# Altium PCB LimeSDR-X3_1v0.PcbDoc (part 1 of 25) (continued)
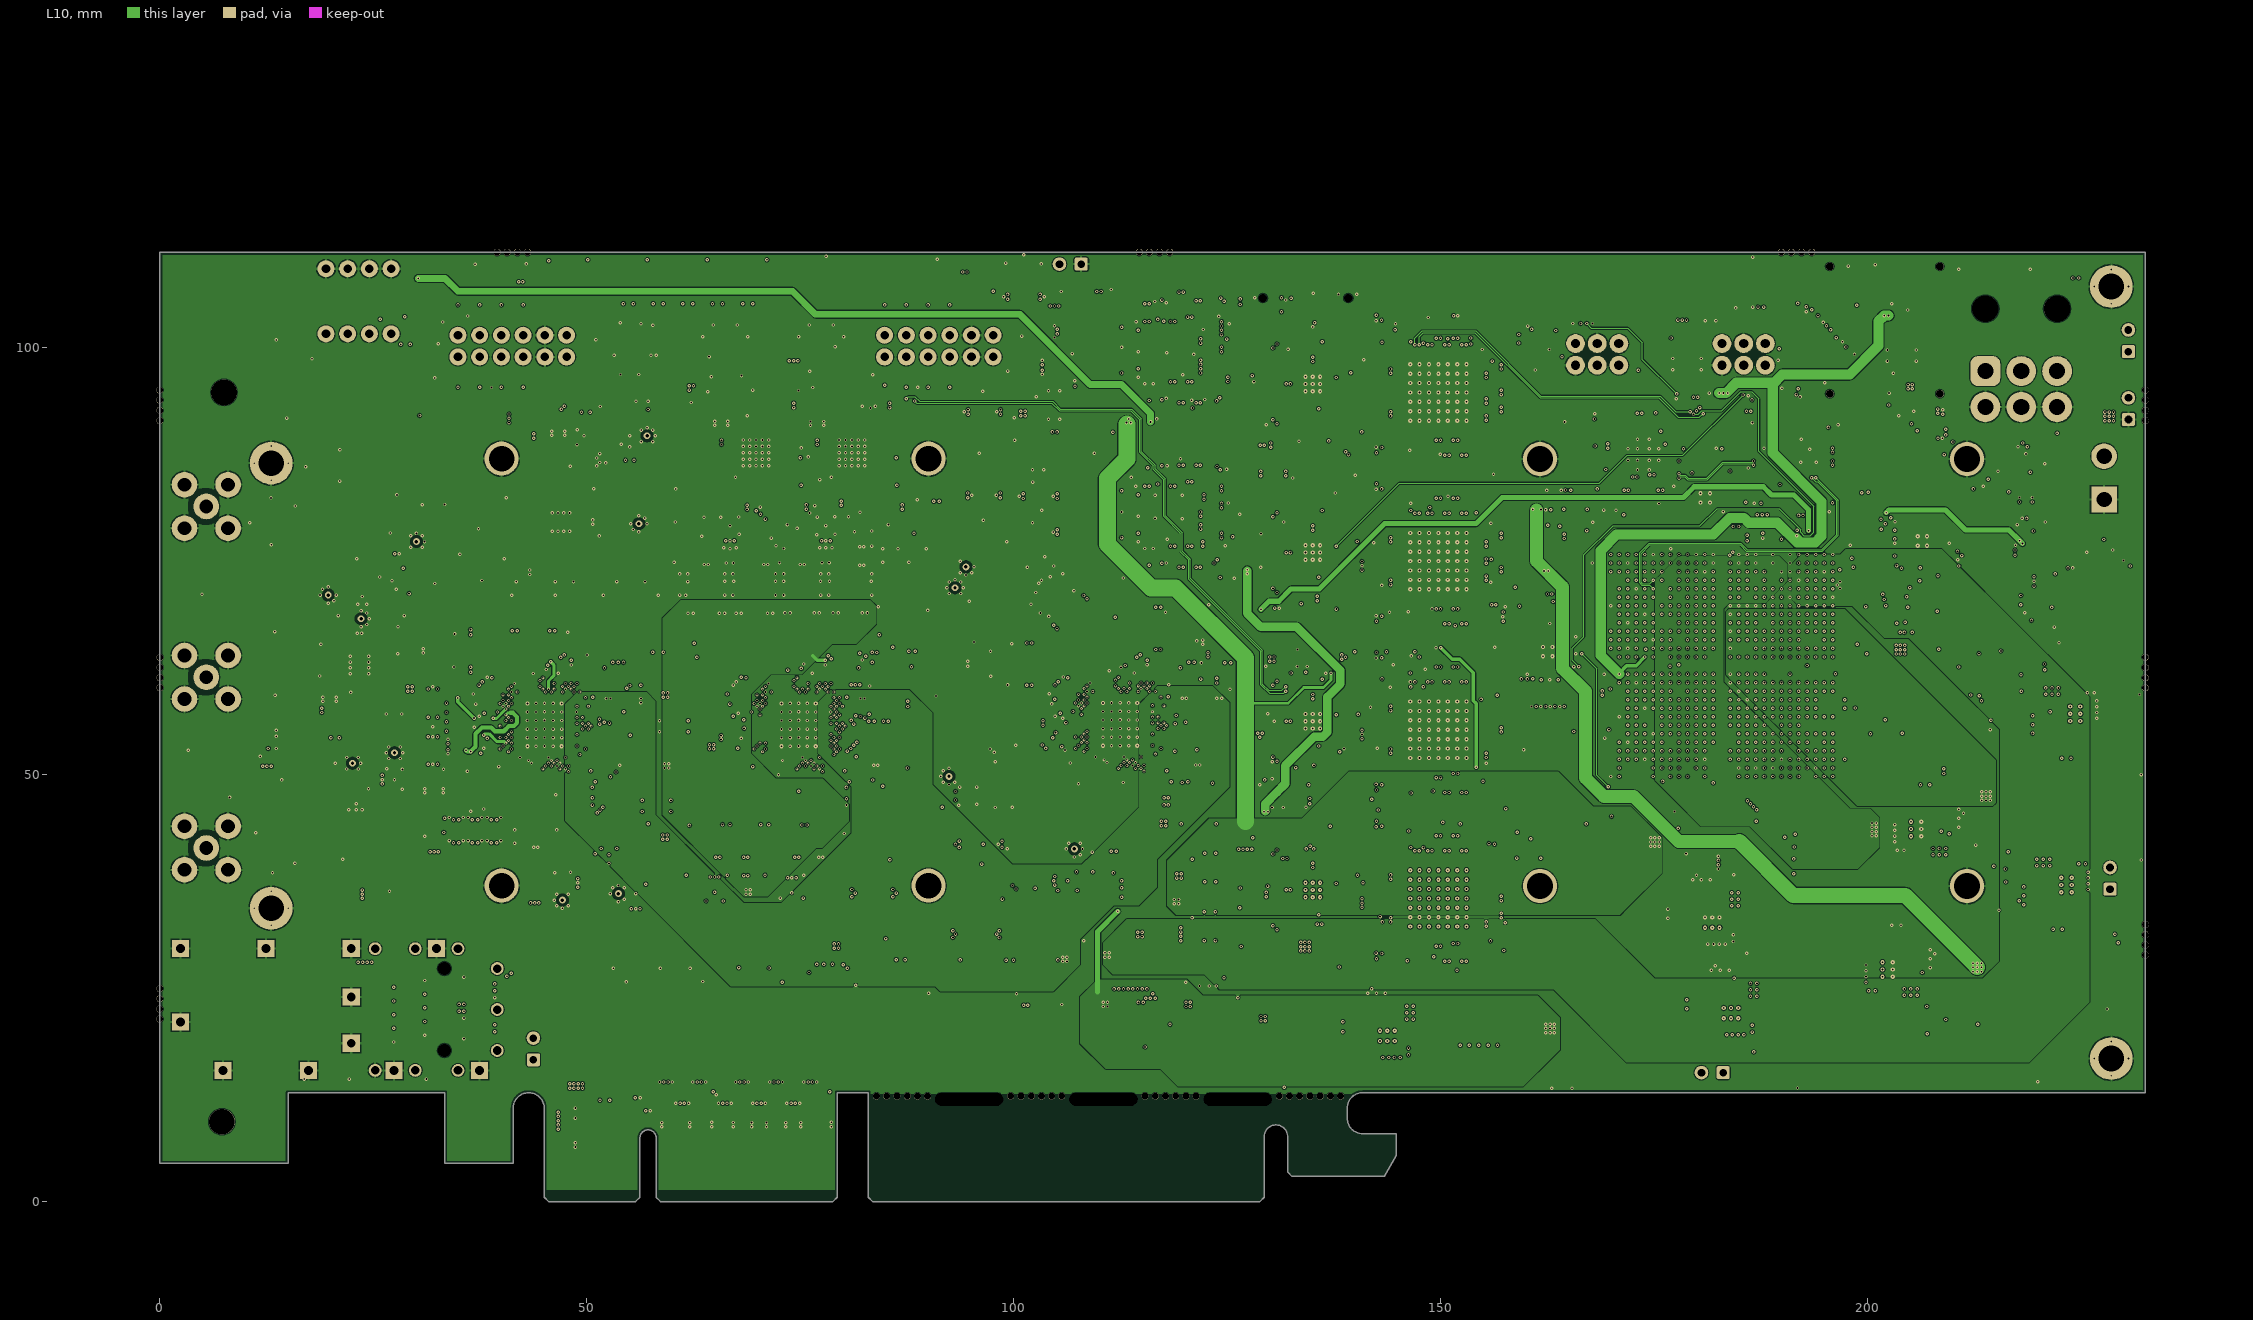
[diagram p10: L10]
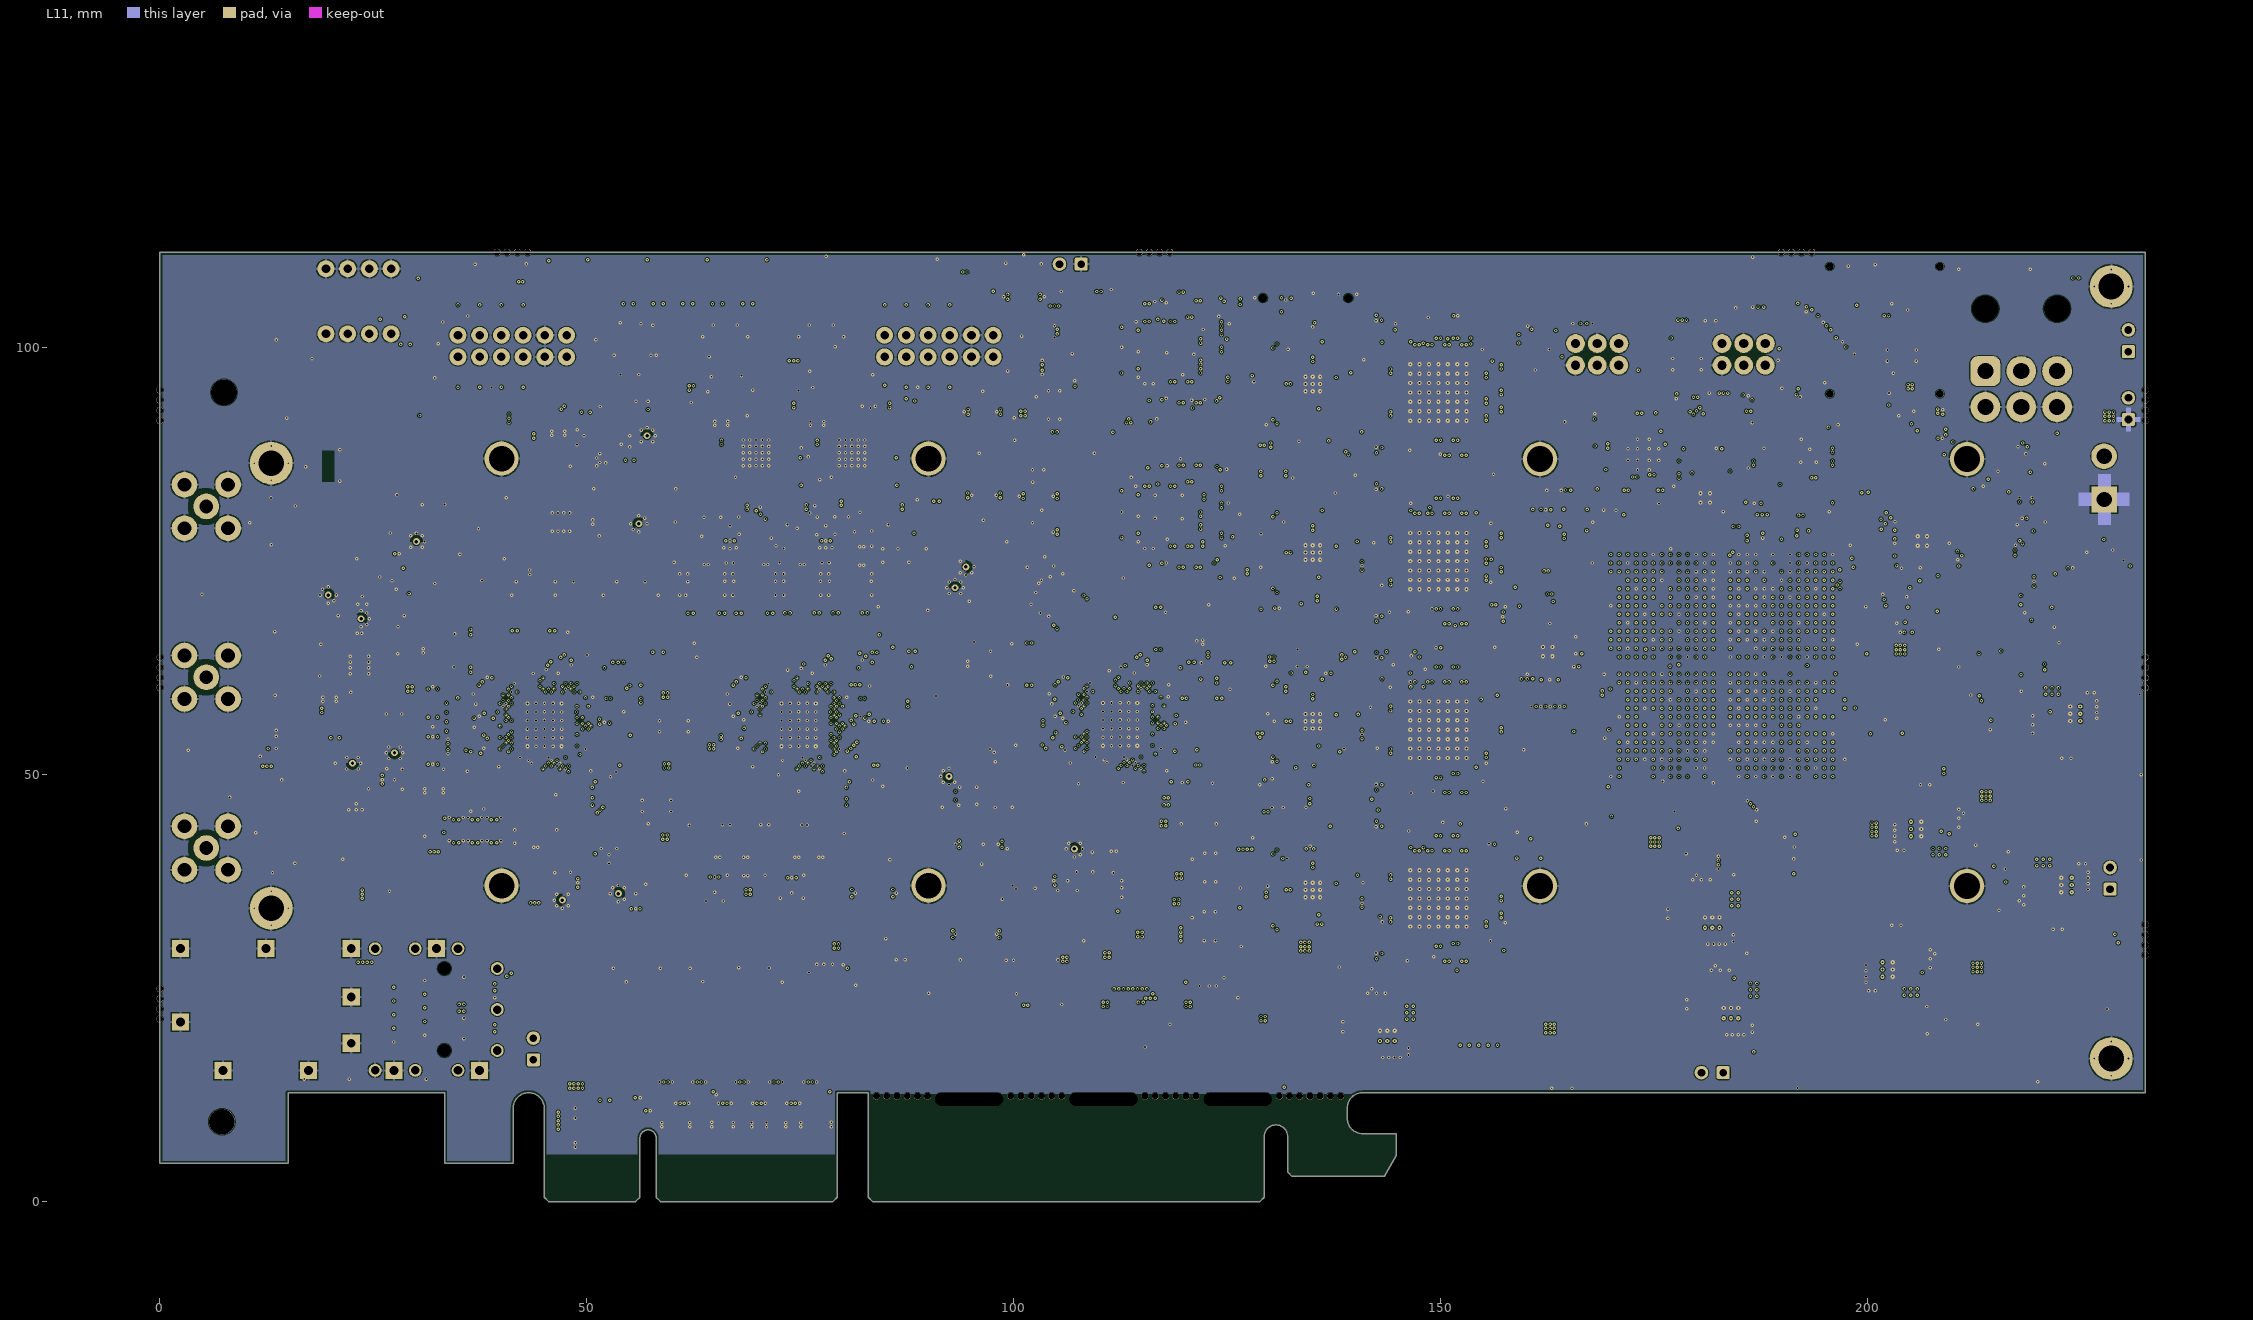
[diagram p11: L11]

## Layer stack, top to bottom
TopSolder: solder mask 0.0102, Solder Resist, Dk 3.5
Top: signal copper 0.0178
Dielectric1: core 0.173, FR-4, Dk 4.8
L2: signal copper 0.0356
Dielectric2: prepreg 0.1, Dk 4.2
L3: signal copper 0.036
Dielectric 4: core 0.1, Dk 4.2
L4: signal copper 0.036
Dielectric 5: prepreg 0.1, Dk 4.2
L5: signal copper 0.036
Dielectric3: core 0.1, FR-4, Dk 4.2
L6: signal copper 0.03
Dielectric 1: prepreg 0.0711, PP-006, Dk 4.1
L7: signal copper 0.035
Dielectric 7: core 0.11, Dk 4.2
L8: signal copper 0.036
Dielectric 8: prepreg 0.127, Dk 4.2
L9: signal copper 0.036
Dielectric 9: core 0.1, Dk 4.2
L10: signal copper 0.036
Dielectric 10: prepreg 0.127, Dk 4.2
L11: signal copper 0.036
Dielectric6: core 0.1, FR-4, Dk 4.2
Bottom: signal copper 0.0178
BottomSolder: solder mask 0.0102, Solder Resist, Dk 3.5

## Board outline
45,0.5 45.5,0 55.7,0 56.2,0.5 56.2,7.45 cw(c57.15,7.45) 58.1,7.45 58.1,0.5 58.6,0 78.8,0 79.3,0.5 79.3,12.75 82.95,12.75 82.95,0.5 83.45,0 128.8,0 129.3,0.5 129.3,7.605 cw(c130.675,7.605) 132.05,7.605 132.05,3.45 132.55,2.95 143.35,2.95 144.75,5.375 144.75,7.95 140.8,7.95 cw(c140.8,9.7) 139.05,9.7 139.05,11 cw(c140.8,11) 140.8,12.75 232.5,12.75 232.5,111.15 0,111.15 0,4.5 15,4.5 15,12.75 33.35,12.75 33.35,4.5 41.35,4.5 41.35,10.925 cw(c43.175,10.925) 45,10.925

## Design rules (kind name [scope] priority, off if disabled: settings)
BoardOutlineClearance [All] p1: gap=0.3 ignorepadtopadclearanceinfootprint=FALSE
Clearance [All] p1: gap=0.1 ignorepadtopadclearanceinfootprint=FALSE except(0: Arc-Hole Track-Hole SMDPad-Hole THPad-Hole Via-Hole Fill-Hole Poly-Hole Region-Hole Text-Hole)
ComponentClearance ComponentClearance_SFP [HasFootprint('SFP_Chassis_22273021') vs HasFootprint('SFP_CON_x1_1367073-1')] p1: gap=-5 collisioncheckmode=3 verticalgap=0.254 showdistances=FALSE
ComponentClearance ComponentClearance_CLK_shield [HasFootprint('RFI_SHIELD_BMI-S-230-F-R')] p2: gap=-1 collisioncheckmode=3 verticalgap=2540 showdistances=FALSE
ComponentClearance ComponentClearance_RFshield [(ObjectKind = '3D Body') And (Layer = 'Mechanical13') And (ModelType = 'Extruded') And ((Identifier = 'RFshield') or (Identifier = 'RFshieldTop')) vs (ObjectKind = '3D Body') And (Layer = 'Mechanical13') And (ModelType = 'Extruded') And ((Identifier = 'RFshield') or (Identifier = 'RFshieldTop'))] p3: gap=-1 collisioncheckmode=3 verticalgap=2540 showdistances=FALSE
ComponentClearance ComponentClearance_RFshield_MECH20 [InComponent('MECH20')] p4: gap=-1 collisioncheckmode=3 verticalgap=2540 showdistances=FALSE
ComponentClearance ComponentClearance_SWITCH [HasFootprint('SW_4WAY_SMD_1P27_v2')] p5: gap=-1 collisioncheckmode=3 verticalgap=2540 showdistances=FALSE
ComponentClearance ComponentClearance_EEPROM1 [InComponent('IC40') vs InComponent('IC41')] p6: gap=-1 collisioncheckmode=3 verticalgap=2540 showdistances=FALSE
ComponentClearance ComponentClearance_EEPROM2 [InComponent('IC36') vs InComponent('IC37')] p7: gap=-1 collisioncheckmode=3 verticalgap=2540 showdistances=FALSE
ComponentClearance ComponentClearance_CLK_jumpers [InComponent('R425') or InComponent('R430') or InComponent('R434') vs InComponent('R425') or InComponent('R430') or InComponent('R434')] p8: gap=-1 collisioncheckmode=3 verticalgap=2540 showdistances=FALSE
ComponentClearance ComponentClearance_CLK_jumpers_1 [InComponent('R454') or InComponent('R459') vs InComponent('R454') or InComponent('R459')] p9: gap=-1 collisioncheckmode=3 verticalgap=2540 showdistances=FALSE
ComponentClearance [All] p10: gap=0.01 collisioncheckmode=3 verticalgap=0.254 showdistances=FALSE
DiffPairsRouting DiffPairsRouting_HDMI [InNetClass('RAPI_HDMI')] p1: maxlimit=0.3 minlimit=0.1 mostfreqgap=0.14 toplayer_minwidth=0.2 toplayer_maxwidth=0.2 toplayer_prefwidth=0.2 midlayer1_minwidth=0.2 midlayer1_maxwidth=0.2 midlayer1_prefwidth=0.2 midlayer2_minwidth=0.2 midlayer2_maxwidth=0.2 midlayer2_prefwidth=0.2 midlayer3_minwidth=0.2 midlayer3_maxwidth=0.2 midlayer3_prefwidth=0.2 midlayer4_minwidth=0.2 midlayer4_maxwidth=0.2 midlayer4_prefwidth=0.2 midlayer5_minwidth=0.2 midlayer5_maxwidth=0.2 midlayer5_prefwidth=0.2 midlayer6_minwidth=0.2 midlayer6_maxwidth=0.2 midlayer6_prefwidth=0.2 midlayer7_minwidth=0.2 midlayer7_maxwidth=0.2 midlayer7_prefwidth=0.2 midlayer8_minwidth=0.2 midlayer8_maxwidth=0.2 midlayer8_prefwidth=0.2 midlayer9_minwidth=0.2 midlayer9_maxwidth=0.2 midlayer9_prefwidth=0.2 midlayer10_minwidth=0.2 midlayer10_maxwidth=0.2 midlayer10_prefwidth=0.2 bottomlayer_minwidth=0.2 bottomlayer_maxwidth=0.2 bottomlayer_prefwidth=0.2 maxuncoupledlength=5
DiffPairsRouting DiffPairsRouting_TX_RF [InNetClass('LMS1_TX_RF') or InNetClass('LMS2_TX_RF') or InNetClass('LMS3_TX_RF')] p2: maxlimit=0.3 minlimit=0.1 mostfreqgap=0.14 toplayer_minwidth=0.1 toplayer_maxwidth=0.3 toplayer_prefwidth=0.2 midlayer1_minwidth=0.1 midlayer1_maxwidth=0.3 midlayer1_prefwidth=0.2 midlayer2_minwidth=0.1 midlayer2_maxwidth=0.3 midlayer2_prefwidth=0.2 midlayer3_minwidth=0.1 midlayer3_maxwidth=0.3 midlayer3_prefwidth=0.2 midlayer4_minwidth=0.1 midlayer4_maxwidth=0.3 midlayer4_prefwidth=0.2 midlayer5_minwidth=0.1 midlayer5_maxwidth=0.3 midlayer5_prefwidth=0.2 midlayer6_minwidth=0.1 midlayer6_maxwidth=0.3 midlayer6_prefwidth=0.2 midlayer7_minwidth=0.1 midlayer7_maxwidth=0.3 midlayer7_prefwidth=0.2 midlayer8_minwidth=0.1 midlayer8_maxwidth=0.3 midlayer8_prefwidth=0.2 midlayer9_minwidth=0.1 midlayer9_maxwidth=0.3 midlayer9_prefwidth=0.2 midlayer10_minwidth=0.1 midlayer10_maxwidth=0.3 midlayer10_prefwidth=0.2 bottomlayer_minwidth=0.1 bottomlayer_maxwidth=0.3 bottomlayer_prefwidth=0.2 maxuncoupledlength=0.2
DiffPairsRouting DiffPairsRouting_RX_RF [InNetClass('LMS1_RX_RF') or InNetClass('LMS2_RX_RF') or InNetClass('LMS3_RX_RF')] p3: maxlimit=0.3 minlimit=0.1 mostfreqgap=0.14 toplayer_minwidth=0.1 toplayer_maxwidth=0.3 toplayer_prefwidth=0.2 midlayer1_minwidth=0.1 midlayer1_maxwidth=0.3 midlayer1_prefwidth=0.2 midlayer2_minwidth=0.1 midlayer2_maxwidth=0.3 midlayer2_prefwidth=0.2 midlayer3_minwidth=0.1 midlayer3_maxwidth=0.3 midlayer3_prefwidth=0.2 midlayer4_minwidth=0.1 midlayer4_maxwidth=0.3 midlayer4_prefwidth=0.2 midlayer5_minwidth=0.1 midlayer5_maxwidth=0.3 midlayer5_prefwidth=0.2 midlayer6_minwidth=0.1 midlayer6_maxwidth=0.3 midlayer6_prefwidth=0.2 midlayer7_minwidth=0.1 midlayer7_maxwidth=0.3 midlayer7_prefwidth=0.2 midlayer8_minwidth=0.1 midlayer8_maxwidth=0.3 midlayer8_prefwidth=0.2 midlayer9_minwidth=0.1 midlayer9_maxwidth=0.3 midlayer9_prefwidth=0.2 midlayer10_minwidth=0.1 midlayer10_maxwidth=0.3 midlayer10_prefwidth=0.2 bottomlayer_minwidth=0.1 bottomlayer_maxwidth=0.3 bottomlayer_prefwidth=0.2 maxuncoupledlength=0.2
DiffPairsRouting [All] p4: maxlimit=0.3 minlimit=0.1 mostfreqgap=0.1 toplayer_minwidth=0.1 toplayer_maxwidth=0.5 toplayer_prefwidth=0.2 midlayer1_minwidth=0.1 midlayer1_maxwidth=0.5 midlayer1_prefwidth=0.2 midlayer2_minwidth=0.1 midlayer2_maxwidth=0.5 midlayer2_prefwidth=0.2 midlayer3_minwidth=0.1 midlayer3_maxwidth=0.5 midlayer3_prefwidth=0.2 midlayer4_minwidth=0.1 midlayer4_maxwidth=0.5 midlayer4_prefwidth=0.2 midlayer5_minwidth=0.1 midlayer5_maxwidth=0.5 midlayer5_prefwidth=0.2 midlayer6_minwidth=0.1 midlayer6_maxwidth=0.5 midlayer6_prefwidth=0.2 midlayer7_minwidth=0.1 midlayer7_maxwidth=0.5 midlayer7_prefwidth=0.2 midlayer8_minwidth=0.1 midlayer8_maxwidth=0.5 midlayer8_prefwidth=0.2 midlayer9_minwidth=0.1 midlayer9_maxwidth=0.5 midlayer9_prefwidth=0.2 midlayer10_minwidth=0.1 midlayer10_maxwidth=0.5 midlayer10_prefwidth=0.2 bottomlayer_minwidth=0.1 bottomlayer_maxwidth=0.5 bottomlayer_prefwidth=0.2 maxuncoupledlength=16
FabricationTestPointUsage TestPointUsage [All] p1: valid=0 allowmultiple=FALSE
FabricationTestpoint Testpoint [All] p1: side=3 testpointundercomponent=TRUE minsize=1.016 maxsize=2.54 preferedsize=1.524 minholesize=0.508 maxholesize=1.016 preferedholesize=0.813 testpointgrid=0.025 allowsidetop=TRUE allowsidebottom=TRUE usegrid=TRUE gridtolerance=0
HoleSize [All] p1: absolutevalues=TRUE maxlimit=10 minlimit=0.2 maxpercent=80.000 minpercent=20.000
HoleToHoleClearance [All] p1: gap=0.15 allowstackedmicrovias=TRUE
MatchedLengths MatchedLengths_LMS2_BB_DAC1_DATA [InNetClass('LMS2_BB_DAC1_DATA')] p1: tolerance=1.6 checknetsindiffpair=FALSE checkdiffpairvsdiffpair=TRUE checkxsignals=TRUE checkothers=TRUE
MatchedLengths MatchedLengths_LMS2_BB_ADC1_DATA [InNetClass('LMS2_BB_ADC1_DATA')] p2: tolerance=1.6 checknetsindiffpair=FALSE checkdiffpairvsdiffpair=TRUE checkxsignals=TRUE checkothers=TRUE
MatchedLengths MatchedLengths_LMS2_BB_ADC2_DATA [InNetClass('LMS2_BB_ADC2_DATA')] p3: tolerance=1.6 checknetsindiffpair=FALSE checkdiffpairvsdiffpair=TRUE checkxsignals=TRUE checkothers=TRUE
MatchedLengths MatchedLengths_LMS3_BB_ADC1_DATA [InNetClass('LMS3_BB_ADC1_DATA')] p4: tolerance=1.6 checknetsindiffpair=FALSE checkdiffpairvsdiffpair=TRUE checkxsignals=TRUE checkothers=TRUE
MatchedLengths MatchedLengths_LMS3_BB_ADC2_DATA [InNetClass('LMS3_BB_ADC2_DATA')] p5: tolerance=1.6 checknetsindiffpair=FALSE checkdiffpairvsdiffpair=TRUE checkxsignals=TRUE checkothers=TRUE
MatchedLengths MatchedLengths_LMS2_BB_DAC2_DATA [InNetClass('LMS2_BB_DAC2_DATA')] p6: tolerance=1.6 checknetsindiffpair=FALSE checkdiffpairvsdiffpair=TRUE checkxsignals=TRUE checkothers=TRUE
MatchedLengths MatchedLengths_LMS3_BB [InNetClass('LMS3_BB')] p7: tolerance=1.6 checknetsindiffpair=FALSE checkdiffpairvsdiffpair=TRUE checkxsignals=TRUE checkothers=TRUE
MatchedLengths MatchedLengths_LMS2_PORT2 [InNetClass('LMS2_PORT2')] p8: tolerance=1 checknetsindiffpair=FALSE checkdiffpairvsdiffpair=TRUE checkxsignals=TRUE checkothers=TRUE
MatchedLengths MatchedLengths_LMS1_PORT2 [InNetClass('LMS1_PORT2')] p9: tolerance=1 checknetsindiffpair=FALSE checkdiffpairvsdiffpair=TRUE checkxsignals=TRUE checkothers=TRUE
MatchedLengths MatchedLengths_LMS1_PORT1 [InNetClass('LMS1_PORT1')] p10: tolerance=1 checknetsindiffpair=FALSE checkdiffpairvsdiffpair=TRUE checkxsignals=TRUE checkothers=TRUE
MatchedLengths MatchedLengths_LMS2_PORT1 [InNetClass('LMS2_PORT1')] p11: tolerance=1 checknetsindiffpair=FALSE checkdiffpairvsdiffpair=TRUE checkxsignals=TRUE checkothers=TRUE
MinimumSolderMaskSliver [All] p1: minsoldermaskwidth=0.099
PlaneClearance [All] p1: clearance=0
PolygonConnect PolygonConnect_GND_VIA [InNet('GND') and isvia] p1: connectstyle=Direct reliefconductorwidth=0.254 reliefentries=4 polygonreliefangle="90 Angle" airgapwidth=0.254
PolygonConnect PolygonConnect_GND [InNet('GND')] p2: connectstyle=Relief reliefconductorwidth=0.3 reliefentries=4 polygonreliefangle="90 Angle" airgapwidth=0.15
PolygonConnect PolygonConnect_VCC3P3 [InNet('VCC3P3')] p3: connectstyle=Direct reliefconductorwidth=0.254 reliefentries=4 polygonreliefangle="90 Angle" airgapwidth=0.254
PolygonConnect PolygonConnect_VCC_PA [InNet('VCC_PA')] p4: connectstyle=Direct reliefconductorwidth=0.254 reliefentries=4 polygonreliefangle="90 Angle" airgapwidth=0.254
PolygonConnect PolygonConnect_VCC3P3_RF [InNet('VCC3P3_RF')] p5: connectstyle=Direct reliefconductorwidth=0.254 reliefentries=4 polygonreliefangle="90 Angle" airgapwidth=0.254
PolygonConnect PolygonConnect_FPGA_MGTAVTT [InNet('FPGA_MGTAVTT')] p6: connectstyle=Direct reliefconductorwidth=0.254 reliefentries=4 polygonreliefangle="90 Angle" airgapwidth=0.254
PolygonConnect PolygonConnect_VCC12P0 [InNet('VCC12P0')] p7: connectstyle=Direct reliefconductorwidth=0.254 reliefentries=4 polygonreliefangle="90 Angle" airgapwidth=0.254
PolygonConnect PolygonConnect_VCC5P0 [InNet('VCC5P0')] p8: connectstyle=Direct reliefconductorwidth=0.254 reliefentries=4 polygonreliefangle="90 Angle" airgapwidth=0.254
PolygonConnect PolygonConnect_VCC1P0 [InNet('VCC1P0')] p9: connectstyle=Direct reliefconductorwidth=0.254 reliefentries=4 polygonreliefangle="90 Angle" airgapwidth=0.254
PolygonConnect PolygonConnect_VCC1P0_MGTAVCC [InNet('VCC1P0_MGTAVCC')] p10: connectstyle=Direct reliefconductorwidth=0.254 reliefentries=4 polygonreliefangle="90 Angle" airgapwidth=0.254
PolygonConnect PolygonConnect_FPGA_MGTAVCC [InNet('FPGA_MGTAVCC')] p11: connectstyle=Direct reliefconductorwidth=0.254 reliefentries=4 polygonreliefangle="90 Angle" airgapwidth=0.254
PolygonConnect PolygonConnect_VCC1P0_INT [InNet('VCC1P0_INT')] p12: connectstyle=Direct reliefconductorwidth=0.254 reliefentries=4 polygonreliefangle="90 Angle" airgapwidth=0.254
PolygonConnect PolygonConnect_VCC1P0_INT_1 [InNet('VDIO_LMS')] p13: connectstyle=Direct reliefconductorwidth=0.254 reliefentries=4 polygonreliefangle="90 Angle" airgapwidth=0.254
PolygonConnect PolygonConnect_VCC2P5 [InNet('VCC2P5')] p14: connectstyle=Direct reliefconductorwidth=0.254 reliefentries=4 polygonreliefangle="90 Angle" airgapwidth=0.254
PolygonConnect PolygonConnect_VCC1P8_LMS [InNetClass('VCC1P8_LMS1') or InNetClass('VCC1P8_LMS2') or InNetClass('VCC1P8_LMS3')] p15: connectstyle=Direct reliefconductorwidth=0.254 reliefentries=4 polygonreliefangle="90 Angle" airgapwidth=0.254
PolygonConnect PolygonConnect_VDIO_LMS_FPGA [InNetClass('VDIO_LMS_FPGA')] p16: connectstyle=Direct reliefconductorwidth=0.254 reliefentries=4 polygonreliefangle="90 Angle" airgapwidth=0.254
PolygonConnect PolygonConnect_VCC1P8 [InNet('VCC1P8')] p17: connectstyle=Direct reliefconductorwidth=0.254 reliefentries=4 polygonreliefangle="90 Angle" airgapwidth=0.254
PolygonConnect PolygonConnect_VCC1P4_LMS [InNetClass('VCC1P4_LMS1') or InNetClass('VCC1P4_LMS2') or InNetClass('VCC1P4_LMS3')] p18: connectstyle=Direct reliefconductorwidth=0.254 reliefentries=4 polygonreliefangle="90 Angle" airgapwidth=0.254
PolygonConnect PolygonConnect_VCC1P25_LMS [InNetClass('VCC1P25_LMS1') or InNetClass('VCC1P25_LMS2') or InNetClass('VCC1P25_LMS3')] p19: connectstyle=Direct reliefconductorwidth=0.254 reliefentries=4 polygonreliefangle="90 Angle" airgapwidth=0.254
PolygonConnect [All] p20: connectstyle=Relief reliefconductorwidth=0.254 reliefentries=4 polygonreliefangle="90 Angle" airgapwidth=0.254
RoutingVias [All] p1: holewidth=0.2 width=0.4 viastyle="Through Hole" minholewidth=0.2 minwidth=0.31 maxholewidth=4.5 maxwidth=5
ShortCircuit ShortCircuit_IC40_PAD [(ObjectKind = 'Pad') And (Component = 'IC40') And (Name = 'IC40-PAD') And (AsMM(PadXSize_AllLayers) = 1.4) And (AsMM(PadYSize_AllLayers) = 1.6) vs isvia] p1: allowed=TRUE
ShortCircuit [All] p2: allowed=FALSE
SilkToSilkClearance [All] p1: silktosilkclearance=0.1
SilkToSolderMaskClearance SilkscreenOverComponentPads [IsPad] p1: minsilkscreentomaskgap=0.254 clearancetoexposedcopper=TRUE
SolderMaskExpansion [All] p1: expansion=0.05
Width Width_ClumsyConnection [All] p1: maxlimit=7 minlimit=0.1 preferedwidth=0.2 checkconnectedcopper=TRUE
Width [All] p2: maxlimit=5 minlimit=0.1 preferedwidth=0.2
19 further rules are at their usual default settings.

## Classes and differential pairs
component class 26_LMS3_RX2_BB_ADC: C666 C667 C668 C669 C670 C671 C672 C673 C674 C675 C676 C677 C678 C679 C680 C681 C682 C683 C684 C685 C686 C687 C688 C689 C690 C691 C692 C693 C694 C695 FL20 FR124 FR125 FR126 IC52 IC53 R354 R355 R356 R357 R358 R359 R360 R361 R362 R363 R364 R365 R366 R367 R368 R369 R370 R371 R372 R373 R374 R375 R376 R377 R378 R379 R380 R381
net class VCC_LMS2_PA: VCC_LMS2_PA
net class VCC_LMS2_PA2: VCC_LMS2_PA2
net class VCC_LMS2_PA1: VCC_LMS2_PA1
net class VCC5P0_RF2: VCC5P0_RF2
net class VCC5P0_RF1: VCC5P0_RF1
net class WR_PTP: WR_PTP_SFP_LOS WR_PTP_SFP_MOD_DEF0 WR_PTP_SFP_MOD_DEF1 WR_PTP_SFP_MOD_DEF2 WR_PTP_SFP_RATE_SEL WR_PTP_SFP_TX_DISABLE WR_PTP_SFP_TX_FAULT
net class PMODB: PMOD_B_PIN1 PMOD_B_PIN2 PMOD_B_PIN3 PMOD_B_PIN4 PMOD_B_PIN7 PMOD_B_PIN8 PMOD_B_PIN9 PMOD_B_PIN10
net class PMODA: PMOD_A_PIN1 PMOD_A_PIN2 PMOD_A_PIN3 PMOD_A_PIN4 PMOD_A_PIN7 PMOD_A_PIN8 PMOD_A_PIN9 PMOD_A_PIN10
net class VCC2P5: VCC2P5
net class VCC1P25_LMS3: VCC1P25_LMS3
net class VCC1P8: VCC1P8
net class VCC1P8_LMS3: VCC1P8_LMS3
net class VCC1P4_LMS3: VCC1P4_LMS3
net class VCC1P2: VCC1P2
net class VCC1P0_INT: VCC1P0_INT
net class LMS3_BB: LMS3_RX1_BB_I_N LMS3_RX1_BB_I_P LMS3_RX1_BB_Q_N LMS3_RX1_BB_Q_P LMS3_RX2_BB_I_N LMS3_RX2_BB_I_P LMS3_RX2_BB_Q_N LMS3_RX2_BB_Q_P
net class LMS2_BB_DAC2_DATA: LMS2_BB_DAC2_B0_N LMS2_BB_DAC2_B0_P LMS2_BB_DAC2_B1_N LMS2_BB_DAC2_B1_P LMS2_BB_DAC2_B2_N LMS2_BB_DAC2_B2_P LMS2_BB_DAC2_B3_N LMS2_BB_DAC2_B3_P LMS2_BB_DAC2_B4_N LMS2_BB_DAC2_B4_P LMS2_BB_DAC2_B5_N LMS2_BB_DAC2_B5_P LMS2_BB_DAC2_B6_N LMS2_BB_DAC2_B6_P LMS2_BB_DAC2_B7_N LMS2_BB_DAC2_B7_P LMS2_BB_DAC2_B8_N LMS2_BB_DAC2_B8_P LMS2_BB_DAC2_B9_N LMS2_BB_DAC2_B9_P LMS2_BB_DAC2_B10_N LMS2_BB_DAC2_B10_P LMS2_BB_DAC2_B11_N LMS2_BB_DAC2_B11_P LMS2_BB_DAC2_B12_N LMS2_BB_DAC2_B12_P LMS2_BB_DAC2_B13_N LMS2_BB_DAC2_B13_P LMS2_BB_DAC2_B14_N LMS2_BB_DAC2_B14_P LMS2_BB_DAC2_B15_N LMS2_BB_DAC2_B15_P LMS2_BB_DAC2_SELIQ_N LMS2_BB_DAC2_SELIQ_P
net class LMS2_BB_TX1_DAC: LMS2_TX1_BB_I_N LMS2_TX1_BB_I_P LMS2_TX1_BB_Q_N LMS2_TX1_BB_Q_P
net class LMS2_BB_DAC1_DATA: LMS2_BB_DAC1_B0_N LMS2_BB_DAC1_B0_P LMS2_BB_DAC1_B1_N LMS2_BB_DAC1_B1_P LMS2_BB_DAC1_B2_N LMS2_BB_DAC1_B2_P LMS2_BB_DAC1_B3_N LMS2_BB_DAC1_B3_P LMS2_BB_DAC1_B4_N LMS2_BB_DAC1_B4_P LMS2_BB_DAC1_B5_N LMS2_BB_DAC1_B5_P LMS2_BB_DAC1_B6_N LMS2_BB_DAC1_B6_P LMS2_BB_DAC1_B7_N LMS2_BB_DAC1_B7_P LMS2_BB_DAC1_B8_N LMS2_BB_DAC1_B8_P LMS2_BB_DAC1_B9_N LMS2_BB_DAC1_B9_P LMS2_BB_DAC1_B10_N LMS2_BB_DAC1_B10_P LMS2_BB_DAC1_B11_N LMS2_BB_DAC1_B11_P LMS2_BB_DAC1_B12_N LMS2_BB_DAC1_B12_P LMS2_BB_DAC1_B13_N LMS2_BB_DAC1_B13_P LMS2_BB_DAC1_B14_N LMS2_BB_DAC1_B14_P LMS2_BB_DAC1_B15_N LMS2_BB_DAC1_B15_P LMS2_BB_DAC1_SELIQ_N LMS2_BB_DAC1_SELIQ_P
component class 16_LMS2_RF2_Misc: C328 C329 C330 C331 C332 C333 C334 C335 C336 C337 C338 C339 C340 C341 C342 C343 C344 C345 C346 C347 C348 C349 C350 C351 C352 C353 C354 ESD12 ESD13 F? FAN? FL? IC27 IC28 IC29 IC30 IC31 IC32 IC33 IC34 J12 J13 L11 L12 MECH? R145 R146 R147 R148 R149 R150 R151 R152 R153 R154 R155
component class 10_LMS3_RF: C55 C56 C57 C58 C59 C60 C61 C62 C63 C64 C65 C66 C67 C68 C69 C70 C71 C72 C73 C74 C75 C76 C77 C78 C79 C80 C81 ESD3 ESD4 ESD5 ESD6 ESD7 IC11 IC12 J3 J4 J5 J6 J7 MN73 MN74 MN75 MN76 MN77 MN78 MN79 MN80 MN81 MN82 MN83 MN84 MN85 MN86 MN87 MN88 MN89 MN90 MN91 MN92 MN93 MN94 MN95 MN96 MN97 MN98 MN99 MN100 MN101 MN102 MN103 MN104 MN105 MN106 MN107 MN108 MN109 MN110 MN111 MN112 T13 T14 T15 T16 T17 T18 T19
net class LMS2_BB_TX2_DAC: LMS2_TX2_BB_I_N LMS2_TX2_BB_I_P LMS2_TX2_BB_Q_N LMS2_TX2_BB_Q_P
net class LMS3_TX_RF: GND LMS3_TX1_1 LMS3_TX2_1 LMS3_TX2_2 LMS3_TXRF1_1AB_N LMS3_TXRF1_1AB_P LMS3_TXRF1_1BB_N LMS3_TXRF1_1BB_P LMS3_TXRF2_1AB_N LMS3_TXRF2_1AB_P LMS3_TXRF2_1BB_N LMS3_TXRF2_1BB_P LMS3_TXRF2_2AB_N LMS3_TXRF2_2AB_P LMS3_TXRF2_2BB_N LMS3_TXRF2_2BB_P NetC63_2 NetC64_2 NetC69_2 NetMN89_1 NetMN90_1 VCC1P8_LMS3
net class LMS3_RX_RF: GND LMS3_RX2_H LMS3_RX2_W LMS3_RXRF2_HAB_N LMS3_RXRF2_HAB_P LMS3_RXRF2_HBB_N LMS3_RXRF2_HBB_P LMS3_RXRF2_WAB_N LMS3_RXRF2_WAB_P LMS3_RXRF2_WBB_N LMS3_RXRF2_WBB_P NetC71_2 NetC73_2
net class LMS3_MISC: LMS3_CORE_LDO_EN LMS3_RESET LMS3_RXEN LMS3_TXEN
net class LMS3_I2C: LMS3_I2C_SCL LMS3_I2C_SDA
net class LMS3_BB_ADC2_DATA: LMS3_BB_ADC2_CLKOUT_N LMS3_BB_ADC2_CLKOUT_P LMS3_BB_ADC2_DA0_N LMS3_BB_ADC2_DA0_P LMS3_BB_ADC2_DA1_N LMS3_BB_ADC2_DA1_P LMS3_BB_ADC2_DA2_N LMS3_BB_ADC2_DA2_P LMS3_BB_ADC2_DA3_N LMS3_BB_ADC2_DA3_P LMS3_BB_ADC2_DA4_N LMS3_BB_ADC2_DA4_P LMS3_BB_ADC2_DA5_N LMS3_BB_ADC2_DA5_P LMS3_BB_ADC2_DA6_N LMS3_BB_ADC2_DA6_P LMS3_BB_ADC2_DB0_N LMS3_BB_ADC2_DB0_P LMS3_BB_ADC2_DB1_N LMS3_BB_ADC2_DB1_P LMS3_BB_ADC2_DB2_N LMS3_BB_ADC2_DB2_P LMS3_BB_ADC2_DB3_N LMS3_BB_ADC2_DB3_P LMS3_BB_ADC2_DB4_N LMS3_BB_ADC2_DB4_P LMS3_BB_ADC2_DB5_N LMS3_BB_ADC2_DB5_P LMS3_BB_ADC2_DB6_N LMS3_BB_ADC2_DB6_P